# Altium PCB InsaneKeyboard.PcbDoc (part 2 of 4) (continued)
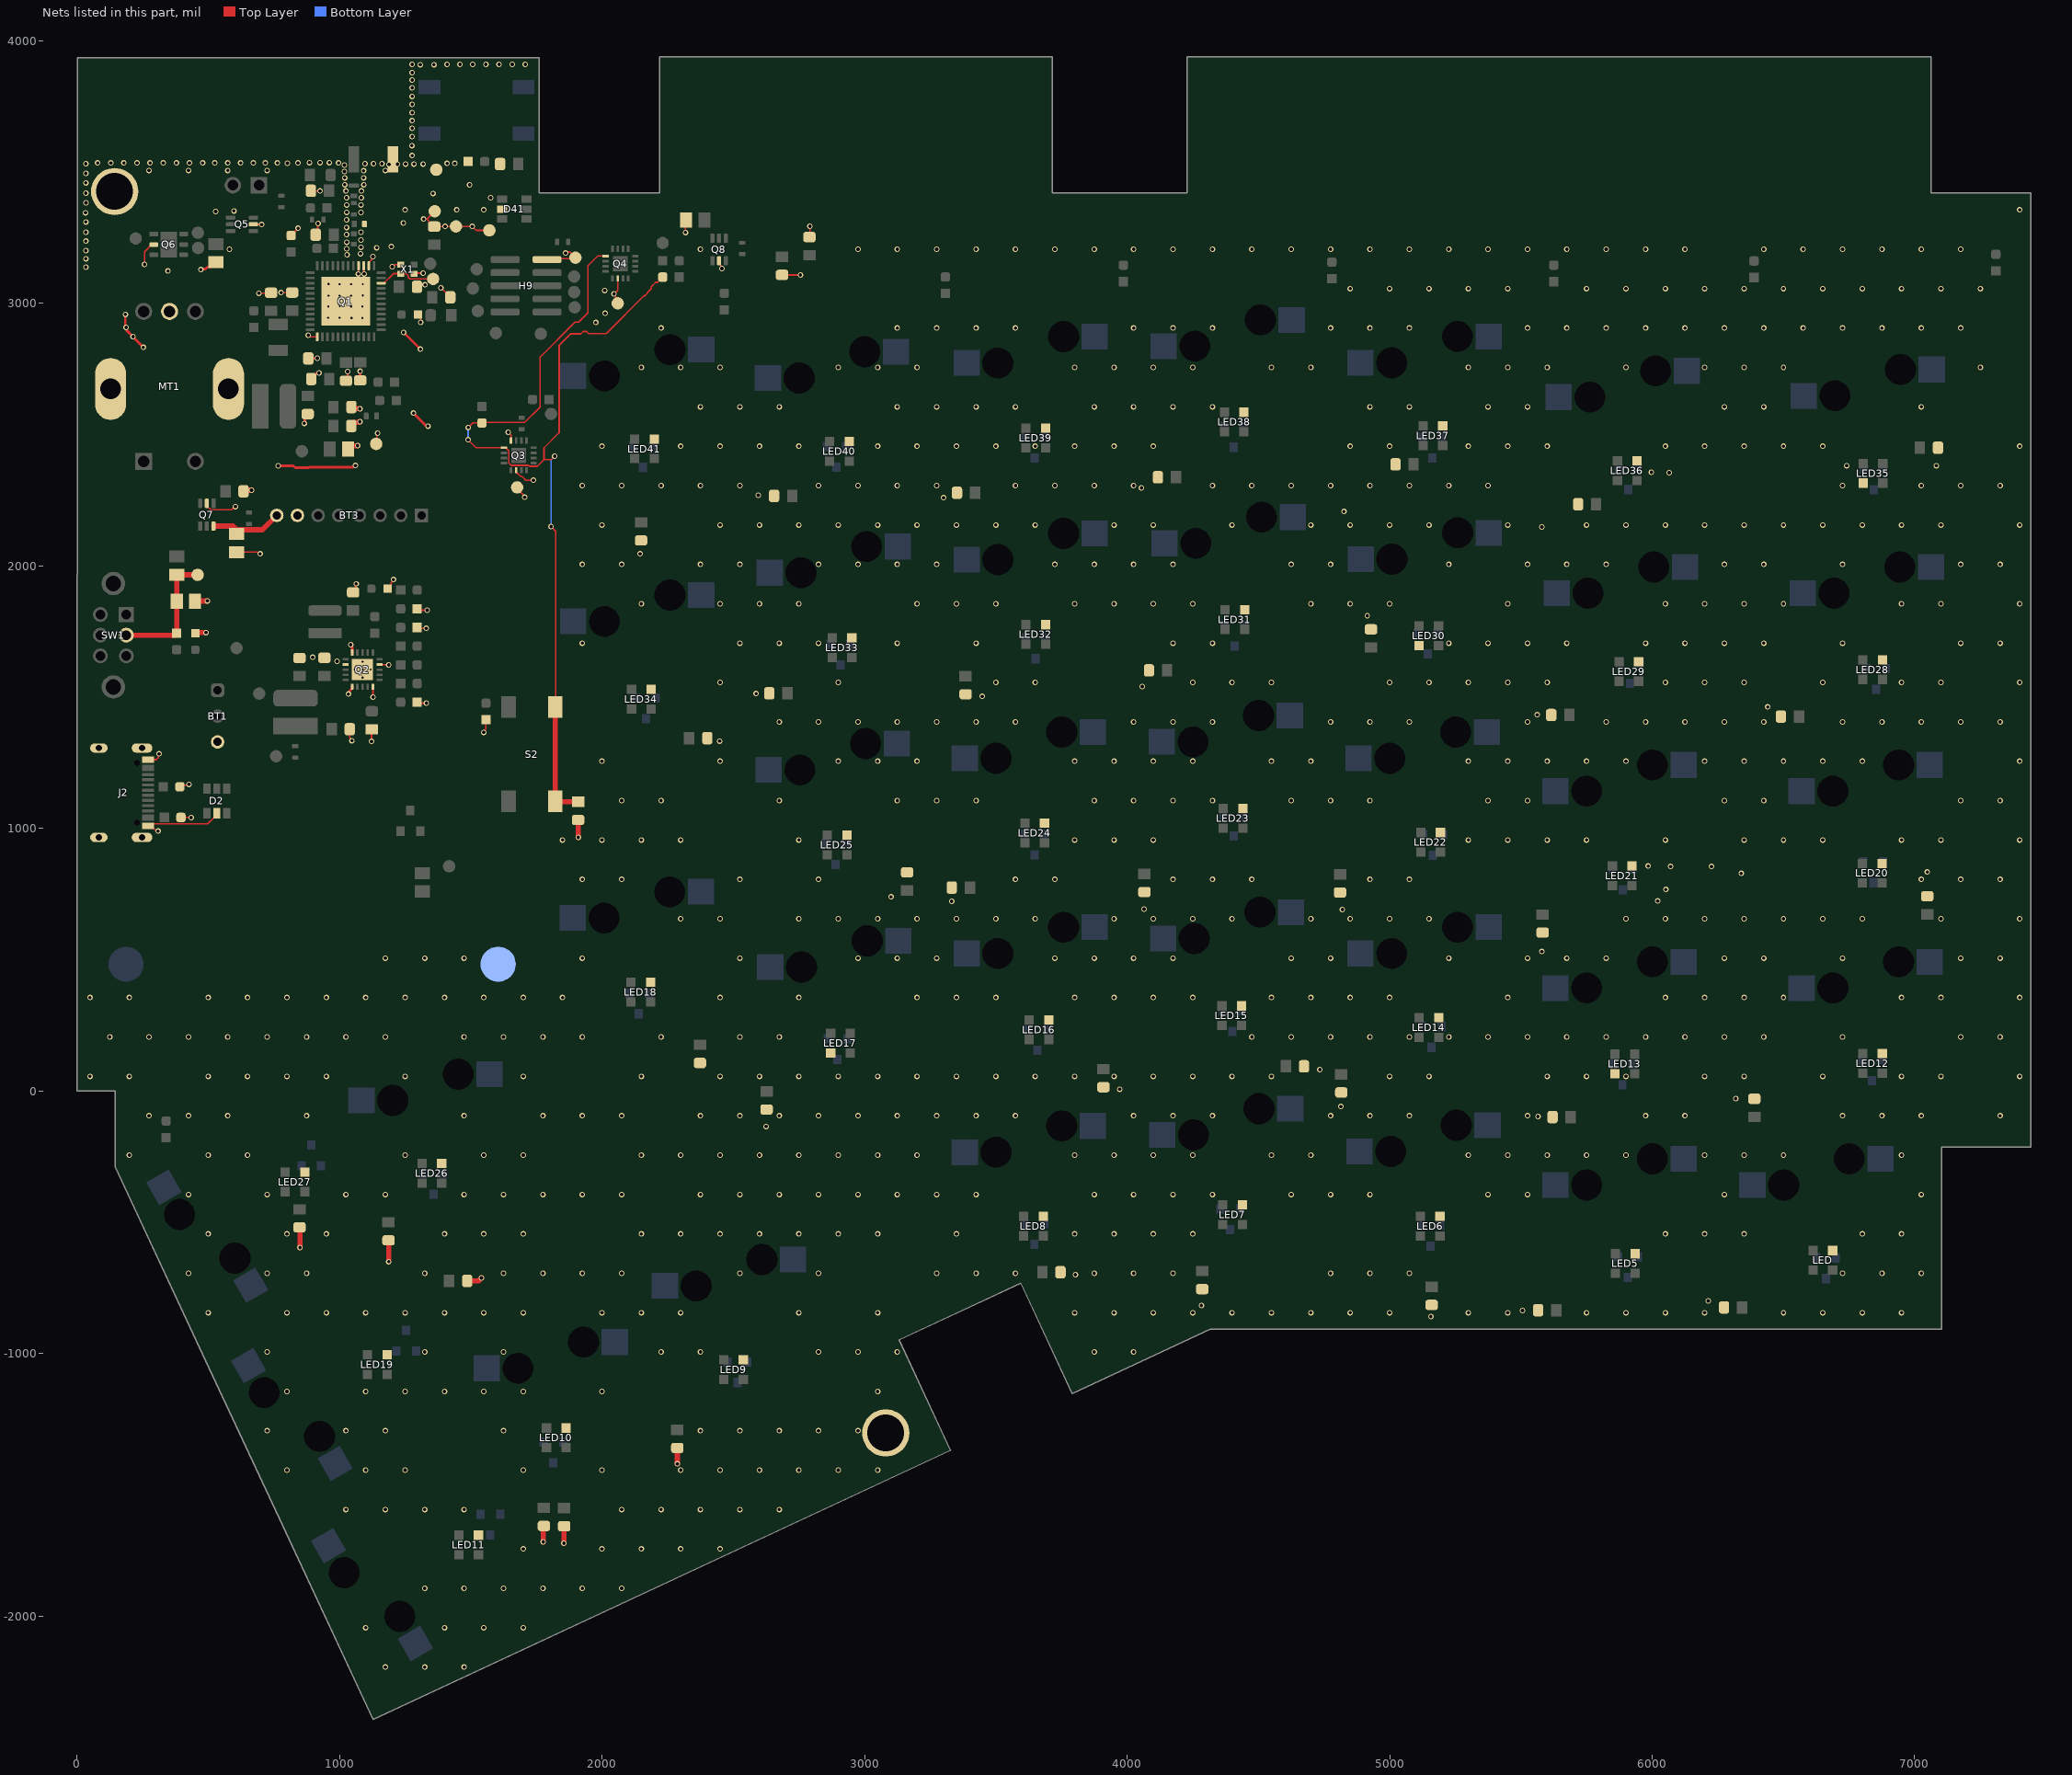
[diagram p2: the nets of this part, all layers, seen from the top]
## Part data (continued)
R14: library part "RES 6.65M 0603", "Fixed Resistor, Metal Glaze/thick Film, 0.1W, 6650000ohm, 75V, 1% +/-Tol, 100ppm/Cel, Surface Mount, 0603", Case/Package=0603, Manufacturer=Vishay, Manufacturer Part Number=CRCW06036M65FKEA, Max Operating Temperature=155°C, Min Operating Temperature=-55°C, Package Height=0.45mm, Package Length=1.55mm, Package Shape=Rectangular, Package Style=SMTMeter, Package Width=0.85mm, Power=100mW, Rated Temperature=70°C, Resistor Type="FIXED RESISTOR", Supplier Part Number=541-6.65MHCT-ND, Temperature Coefficient=100ppm/°C, Tolerance=1%, Working Voltage=75V, Category="Chip SMD Resistors", ComponentLink1Description=https://datasheet.ciiva.com:443/pdfs/VipMasterIC/IC/VISH/VISH-S-A0007266705/VISH-S-A0007266705-1.pdf?src-supplier=IHS+Markit, ComponentLink1URL=https://datasheet.ciiva.com:443/pdfs/VipMasterIC/IC/VISH/VISH-S-A0007266705/VISH-S-A0007266705-1.pdf?src-supplier=IHS+Markit, ComponentLink2Description=https://datasheet.ciiva.com/2494/dcrcwe3-2494684.pdf?src-supplier=Digikey, ComponentLink2URL=https://datasheet.ciiva.com/2494/dcrcwe3-2494684.pdf?src-supplier=Digikey, ComponentLink3Description=https://datasheet.ciiva.com/2494/dcrcwe3-2494685.pdf?src-supplier=Digikey, ComponentLink3URL=https://datasheet.ciiva.com/2494/dcrcwe3-2494685.pdf?src-supplier=Digikey, ComponentLink4Description=https://datasheet.ciiva.com/2494/dcrcwe3-2494686.pdf?src-supplier=Digikey, ComponentLink4URL=https://datasheet.ciiva.com/2494/dcrcwe3-2494686.pdf?src-supplier=Digikey, ComponentLink5Description=https://datasheet.ciiva.com/9061/dcrcwe3-9061657.pdf?src-supplier=Avnet, ComponentLink5URL=https://datasheet.ciiva.com/9061/dcrcwe3-9061657.pdf?src-supplier=Avnet, ComponentLink6Description=https://datasheet.ciiva.com/7748/1697337-7748695.pdf?src-supplier=Element14, ComponentLink6URL=https://datasheet.ciiva.com/7748/1697337-7748695.pdf?src-supplier=Element14, ComponentLink7Description=https://datasheet.ciiva.com/7748/1697337-7748696.pdf?src-supplier=Element14, ComponentLink7URL=https://datasheet.ciiva.com/7748/1697337-7748696.pdf?src-supplier=Element14, Construction=Chip, JESD-609 Code=e3, Mounting Technology="Surface Mount", Packaging="Tape and Reel", Pins=2, Pricing="1=0.1, 10=0.026, 50=0.0166, 100=0.014, 500=0.00954, 1000=0.00824 (USD)", Reach SVHC Compliant=Yes, Reference Standard=AEC-Q200, RoHS=Yes, RoHS Compliant=Yes, Stock=29933, Supplier=Digikey, Technology="METAL GLAZE/THICK FILM", Terminal Finish=Nickel, Termination=Wraparound
R15: library part "RES 5.62M 0603", "Fixed Resistor, Metal Glaze/thick Film, 0.1W, 5620000ohm, 75V, 1% +/-Tol, 100ppm/Cel, Surface Mount, 0603", Case/Package=0603, Manufacturer=Yageo, Manufacturer Part Number=RC0603JR-075M6L, Max Operating Temperature=155°C, Min Operating Temperature=-55°C, Package Height=0.45mm, Package Length=1.6mm, Package Shape=Rectangular, Package Style=SMTMeter, Package Width=0.8mm, Power=100mW, Rated Temperature=70°C, Resistor Type="FIXED RESISTOR", Supplier Part Number=311-5.6MGRCT-ND, Temperature Coefficient=100ppm/°C, Tolerance=5%, Working Voltage=75V, Additional Feature="LASER TRIMMABLE", Category="Chip SMD Resistors", ComponentLink1Description=https://datasheet.ciiva.com:443/pdfs/VipMasterIC/IC/YAGO/YAGO-S-A0008145938/YAGO-S-A0008145938-1.pdf?src-supplier=IHS+Markit, ComponentLink1URL=https://datasheet.ciiva.com:443/pdfs/VipMasterIC/IC/YAGO/YAGO-S-A0008145938/YAGO-S-A0008145938-1.pdf?src-supplier=IHS+Markit, ComponentLink2Description=https://datasheet.ciiva.com/2453/pyu-r-int-thick-7-2453118.pdf?src-supplier=Digikey, ComponentLink2URL=https://datasheet.ciiva.com/2453/pyu-r-int-thick-7-2453118.pdf?src-supplier=Digikey, ComponentLink3Description=https://datasheet.ciiva.com/2453/pyu-r-int-thick-7-2453119.pdf?src-supplier=Digikey, ComponentLink3URL=https://datasheet.ciiva.com/2453/pyu-r-int-thick-7-2453119.pdf?src-supplier=Digikey, ComponentLink4Description=https://datasheet.ciiva.com/2453/pyu-r-int-thick-7-2453120.pdf?src-supplier=Digikey, ComponentLink4URL=https://datasheet.ciiva.com/2453/pyu-r-int-thick-7-2453120.pdf?src-supplier=Digikey, ComponentLink5Description=http://www.mouser.com/ds/2/447/RC0603-272842.pdf?src-supplier=Mouser, ComponentLink5URL=http://www.mouser.com/ds/2/447/RC0603-272842.pdf?src-supplier=Mouser, ComponentLink6Description=http://www.yageo.com/documents/recent/PYu-RC_Group_51_RoHS_L_2.pdf?src-supplier=Avnet, ComponentLink6URL=http://www.yageo.com/documents/recent/PYu-RC_Group_51_RoHS_L_2.pdf?src-supplier=Avnet, ComponentLink7Description=http://www.yageo.com.tw/exep/pages/download/literatures/PYu-R_INT-thick_7.pdf?src-supplier=Digikey, ComponentLink7URL=http://www.yageo.com.tw/exep/pages/download/literatures/PYu-R_INT-thick_7.pdf?src-supplier=Digikey, Construction=Chip, JESD-609 Code=e3, Mounting Technology="Surface Mount", Packaging="Tape and Reel", Pins=2, Pricing="1=0.1, 10=0.015, 50=0.0092, 100=0.0076, 500=0.00512, 1000=0.00437 (USD)", Reach SVHC Compliant=Yes, RoHS=Yes, RoHS Compliant=Yes, Stock=110556, Supplier=Digikey, Technology="METAL GLAZE/THICK FILM", Terminal Finish=Nickel, Termination=Wraparound
R16 R19 R20 R21 R22 R23 R24 R25 R26 R30 R31 R32 R33 R34 R35 R36: library part "RES 10K 0603", "Fixed Resistor, Metal Glaze/thick Film, 0.1W, 10000ohm, 75V, 1% +/-Tol, 100ppm/Cel, Surface Mount, 0603", Case/Package=0603, Manufacturer=Yageo, Manufacturer Part Number=RC0603FR-0710KL, Max Operating Temperature=155°C, Min Operating Temperature=-55°C, Package Height=0.45mm, Package Length=1.6mm, Package Shape=Rectangular, Package Style=SMTMeter, Package Width=0.8mm, Power=100mW, Rated Temperature=70°C, Resistor Type="FIXED RESISTOR", Supplier Part Number=311-10.0KHRCT-ND, Temperature Coefficient=100ppm/°C, Tolerance=1%, Working Voltage=75V, Additional Feature="LASER TRIMMABLE", Category="Chip SMD Resistors", ComponentLink1Description=https://datasheet.ciiva.com:443/pdfs/VipMasterIC/IC/YAGO/YAGO-S-A0008145938/YAGO-S-A0008145938-1.pdf?src-supplier=IHS+Markit, ComponentLink1URL=https://datasheet.ciiva.com:443/pdfs/VipMasterIC/IC/YAGO/YAGO-S-A0008145938/YAGO-S-A0008145938-1.pdf?src-supplier=IHS+Markit, ComponentLink2Description=http://www.farnell.com/datasheets/2167052.pdf?src-supplier=Farnell, ComponentLink2URL=http://www.farnell.com/datasheets/2167052.pdf?src-supplier=Farnell, ComponentLink3Description=http://www.farnell.com/datasheets/1868787.pdf?src-supplier=Farnell, ComponentLink3URL=http://www.farnell.com/datasheets/1868787.pdf?src-supplier=Farnell, ComponentLink4Description=http://www.farnell.com/datasheets/443971.pdf?src-supplier=Farnell, ComponentLink4URL=http://www.farnell.com/datasheets/443971.pdf?src-supplier=Farnell, ComponentLink5Description=http://www.yageo.com/documents/recent/PYu-RC_Group_51_RoHS_L_10.pdf?src-supplier=Digikey, ComponentLink5URL=http://www.yageo.com/documents/recent/PYu-RC_Group_51_RoHS_L_10.pdf?src-supplier=Digikey, ComponentLink6Description=http://www.yageo.com/documents/recent/PYu-RC_Group_51_RoHS_L_9.pdf?src-supplier=Component+Sense, ComponentLink6URL=http://www.yageo.com/documents/recent/PYu-RC_Group_51_RoHS_L_9.pdf?src-supplier=Component+Sense, Construction=Chip, JESD-609 Code=e3, Mounting Technology="Surface Mount", Packaging="Tape and Reel", Pins=2, Pricing="1=0.1, 10=0.019, 50=0.0112, 100=0.0093, 500=0.00622, 1000=0.00532, 5000=0.00382, 10000=0.00335, 25000=0.00287, 35000=0.00278, 50000=0.00257, 125000=0.00232 (USD)", Reach SVHC Compliant=Yes, RoHS=Yes, RoHS Compliant=Yes, Stock=6878448, Supplier=Digikey, Technology="METAL GLAZE/THICK FILM", Terminal Finish=Nickel, Termination=Wraparound
R17: library part "RES 4.99M 0603", "Fixed Resistor, Metal Glaze/thick Film, 0.1W, 4990000ohm, 75V, 1% +/-Tol, 100ppm/Cel, Surface Mount, 0603", Case/Package=0603, Manufacturer=Yageo, Manufacturer Part Number=RC0603FR-074M99L, Max Operating Temperature=155°C, Min Operating Temperature=-55°C, Package Height=0.45mm, Package Length=1.6mm, Package Shape=Rectangular, Package Style=SMTMeter, Package Width=0.8mm, Power=100mW, Rated Temperature=70°C, Resistor Type="FIXED RESISTOR", Supplier Part Number=13-RC0603FR-074M99LDKR-ND, Temperature Coefficient=100ppm/°C, Tolerance=1%, Working Voltage=75V, Additional Feature="LASER TRIMMABLE", Category="Chip SMD Resistors", ComponentLink1Description=https://datasheet.ciiva.com:443/pdfs/VipMasterIC/IC/YAGO/YAGO-S-A0008145938/YAGO-S-A0008145938-1.pdf?src-supplier=IHS+Markit, ComponentLink1URL=https://datasheet.ciiva.com:443/pdfs/VipMasterIC/IC/YAGO/YAGO-S-A0008145938/YAGO-S-A0008145938-1.pdf?src-supplier=IHS+Markit, ComponentLink2Description=http://www.mouser.com/ds/2/447/RC0603-272842.pdf?src-supplier=Mouser, ComponentLink2URL=http://www.mouser.com/ds/2/447/RC0603-272842.pdf?src-supplier=Mouser, ComponentLink3Description=http://www.yageo.com/documents/recent/PYu-RC_Group_51_RoHS_L_9.pdf?src-supplier=Digikey, ComponentLink3URL=http://www.yageo.com/documents/recent/PYu-RC_Group_51_RoHS_L_9.pdf?src-supplier=Digikey, ComponentLink4Description=http://www.yageo.com/documents/recent/PYu-RC0603_51_RoHS_L_7.pdf?src-supplier=Future+Electronics, ComponentLink4URL=http://www.yageo.com/documents/recent/PYu-RC0603_51_RoHS_L_7.pdf?src-supplier=Future+Electronics, ComponentLink5Description=http://www.yageo.com/documents/recent/PYu-RC_Group_51_RoHS_L_2.pdf?src-supplier=Avnet, ComponentLink5URL=http://www.yageo.com/documents/recent/PYu-RC_Group_51_RoHS_L_2.pdf?src-supplier=Avnet, ComponentLink6Description=https://datasheet.octopart.com/RC0603FR-074M99L-Yageo-datasheet-164759695.pdf?src-supplier=Future+Electronics, ComponentLink6URL=https://datasheet.octopart.com/RC0603FR-074M99L-Yageo-datasheet-164759695.pdf?src-supplier=Future+Electronics, ComponentLink7Description=https://datasheet.octopart.com/RC0603FR-074M99L-Yageo-datasheet-148775077.pdf?src-supplier=TME, ComponentLink7URL=https://datasheet.octopart.com/RC0603FR-074M99L-Yageo-datasheet-148775077.pdf?src-supplier=TME, Construction=Chip, JESD-609 Code=e3, Mounting Technology="Surface Mount", Packaging="Tape and Reel", Pins=2, Pricing="1=0.1, 10=0.019, 50=0.0112, 100=0.0093, 500=0.00622, 1000=0.00532 (USD)", Reach SVHC Compliant=Yes, RoHS=Yes, RoHS Compliant=Yes, Stock=585, Supplier=Digikey, Technology="METAL GLAZE/THICK FILM", Terminal Finish=Nickel, Termination=Wraparound
S1 S2: library part SPST, "Keypad Switch, 1 Switches, SPST, Momentary-tactile, 0.05A, 50VDC, 2.55N, Solder Terminal, Surface Mount-straight", Contact Current(DC)-Max=50mA, Contact DC Max Rating R Load=.05A@50VDC, Contact Voltage(DC)-Max=50V, Manufacturer=E-Switch, Manufacturer Part Number=TL3301NF260QG, Operating Force-Max=3.04N, Supplier Part Number=EG1868CT-ND, Body Breadth=6inch, Body Height=3.6mm, Body Length or Diameter=6mm, Category="Tactile Switches", Circuit Configuration=1X1, ComponentLink1Description=https://datasheet.ciiva.com:443/pdfs/VipMasterIC/IC/ESCH/ESCH-S-A0005350531/ESCH-S-A0005350531-1.pdf?src-supplier=IHS+Markit, ComponentLink1URL=https://datasheet.ciiva.com:443/pdfs/VipMasterIC/IC/ESCH/ESCH-S-A0005350531/ESCH-S-A0005350531-1.pdf?src-supplier=IHS+Markit, ComponentLink2Description=https://datasheet.ciiva.com/2901/p010517e-2901296.pdf?src-supplier=Digikey, ComponentLink2URL=https://datasheet.ciiva.com/2901/p010517e-2901296.pdf?src-supplier=Digikey, ComponentLink3Description=https://datasheet.ciiva.com/2901/tl3301-2901294.pdf?src-supplier=Digikey, ComponentLink3URL=https://datasheet.ciiva.com/2901/tl3301-2901294.pdf?src-supplier=Digikey, ComponentLink4Description=https://datasheet.ciiva.com/2901/tl3301-2901295.pdf?src-supplier=Digikey, ComponentLink4URL=https://datasheet.ciiva.com/2901/tl3301-2901295.pdf?src-supplier=Digikey, ComponentLink5Description=https://datasheet.ciiva.com/7637/tl3301-7637661.pdf?src-supplier=Element14, ComponentLink5URL=https://datasheet.ciiva.com/7637/tl3301-7637661.pdf?src-supplier=Element14, JESD-609 Code=e4, Mounting Technology="Surface Mount", Number of Switches=1, Packaging="Tape and Reel", Pricing="1=0.42, 10=0.404, 25=0.3804, 100=0.3303, 250=0.29968, 500=0.27876 (USD)", Reach SVHC Compliant=Yes, RoHS=Yes, RoHS Compliant=Yes, Stock=45667, Supplier=Digikey, Switch Action=MOMENTARY-TACTILE, Switch Function=SPST, Switch Type=Keypad, Terminal Finish=Silver, Termination=Solder
SW1: library part DPDT, "Slide Switch, DPDT, Latched, Solder Terminal, Through Hole-right Angle", Manufacturer=E-Switch, Manufacturer Part Number=EG2208, Max Operating Temperature=70°C, Min Operating Temperature=-20°C, Supplier Part Number=EG1941-ND, Body Breadth=6inch, Body Height=5mm, Body Length or Diameter=10mm, Category="Slide Switches", ComponentLink1Description=https://datasheet.ciiva.com:443/pdfs/VipMasterIC/IC/ESCH/ESCH-S-A0005350660/ESCH-S-A0005350660-1.pdf?src-supplier=IHS+Markit, ComponentLink1URL=https://datasheet.ciiva.com:443/pdfs/VipMasterIC/IC/ESCH/ESCH-S-A0005350660/ESCH-S-A0005350660-1.pdf?src-supplier=IHS+Markit, ComponentLink2Description=https://datasheet.ciiva.com/2889/p040110c-2889382.pdf?src-supplier=Digikey, ComponentLink2URL=https://datasheet.ciiva.com/2889/p040110c-2889382.pdf?src-supplier=Digikey, ComponentLink3Description=https://datasheet.ciiva.com/16174/seriesegslides-16174287.pdf?src-supplier=Onlinecomponents.com, ComponentLink3URL=https://datasheet.ciiva.com/16174/seriesegslides-16174287.pdf?src-supplier=Onlinecomponents.com, ComponentLink4Description=https://datasheet.ciiva.com/16216/eg-16216332.pdf?src-supplier=Future+Electronics, ComponentLink4URL=https://datasheet.ciiva.com/16216/eg-16216332.pdf?src-supplier=Future+Electronics, JESD-609 Code=e4, Mounting Technology="Through Hole", Pricing="1=0.66, 10=0.639, 25=0.5968, 100=0.5183, 250=0.47168, 800=0.43728, 1600=0.4325 (USD)", Reach SVHC Compliant=Yes, RoHS=Yes, RoHS Compliant=Yes, Stock=171516, Supplier=Digikey, Switch Action=LATCHED, Switch Function=DPDT, Switch Type="Slide Switch", Terminal Finish=Silver, Termination=Solder
SW2 SW3 SW4 SW5 SW6 SW7 SW8 SW9 SW10 SW11 SW12 SW13 SW14 SW15 SW16 SW17 SW18 SW19 SW20 SW21 SW22 SW23 SW24 SW25 SW26 SW27 SW28 SW29 SW30 SW31 SW32 SW33 SW34 SW35 SW36 SW37 SW38 SW39: library part "Gateron G Pro 2.0", "Gateron G Pro 2.0, The 3-Pin switches are compatible with any 3-Pin/5-Pin MX mechanical keyboard"
TP1 TP2 TP3 TP6 TP7 TP8 TP9 TP10 TP11 TP12 TP13 TP15 TP16 TP17 TP18 TP20 TP21 TP22 TP23 TP24 TP25 TP27 TP28 TP29 TP30 TP31 TP32 TP33 TP34: library part "Test point"
X1: library part "XTAL 38.4MHz", "Crystal 38.4000MHZ 10PF SMD", Manufacturer=Murata, Manufacturer Part Number=XRCGB38M400F1S3JR0, Supplier Part Number=490-XRCGB38M400F1S3JR0TR-ND, Category=LDO, ComponentLink1Description=https://datasheet.octopart.com/TZ2205E-TST---Tamsan-datasheet-98782093.pdf?src-supplier=Component+Distributors+Inc., ComponentLink1URL=https://datasheet.octopart.com/TZ2205E-TST---Tamsan-datasheet-98782093.pdf?src-supplier=Component+Distributors+Inc., ComponentLink2Description=http://www.txccorp.com/download/products/quartz_crystals/2015TXC_8Y_15.pdf?src-supplier=Digikey, ComponentLink2URL=http://www.txccorp.com/download/products/quartz_crystals/2015TXC_8Y_15.pdf?src-supplier=Digikey, Pricing="1=1.13, 10=1.004, 50=0.938, 100=0.829, 500=0.78538, 1000=0.65448 (USD)", RoHS=No, Stock=604, Supplier=Digikey
X2: library part "32.768kHz Crystal", "Crystal 0.032768MHz ±20ppm (Tol) 12.5pF Flexural 70000Ohm 2-Pin CSMD T/R", Case/Package=CSMD, ESR (Equivalent Series Resistance)=70kR, Frequency=32.768kHz, Frequency Tolerance=20ppm, Load Capacitance=12.5pF, Manufacturer=Abracon, Manufacturer Part Number=ABS07-32.768KHZ-H-T, Max Operating Temperature=85°C, Min Operating Temperature=-40°C, Operating Frequency="32.768 kHz", Operating Frequency-Nom=0.032768, Package Quantity=3000, Supplier Part Number=535-ABS07-32.768KHZ-H-TTR-ND, Additional Feature="TAPE AND REEL", Aging="3 PPM/FIRST YEAR", Category=Crystals, ComponentLink1Description=https://datasheet.ciiva.com:443/pdfs/VipMasterIC/IC/ABRC/ABRC-S-A0006623177/ABRC-S-A0006623177-1.pdf?src-supplier=IHS+Markit, ComponentLink1URL=https://datasheet.ciiva.com:443/pdfs/VipMasterIC/IC/ABRC/ABRC-S-A0006623177/ABRC-S-A0006623177-1.pdf?src-supplier=IHS+Markit, ComponentLink2Description=https://datasheet.ciiva.com/854/abs07-854935.pdf?src-supplier=Digikey, ComponentLink2URL=https://datasheet.ciiva.com/854/abs07-854935.pdf?src-supplier=Digikey, ComponentLink3Description=https://datasheet.ciiva.com/854/abs07-854936.pdf?src-supplier=Digikey, ComponentLink3URL=https://datasheet.ciiva.com/854/abs07-854936.pdf?src-supplier=Digikey, ComponentLink4Description=https://datasheet.ciiva.com/854/abs07-854937.pdf?src-supplier=Digikey, ComponentLink4URL=https://datasheet.ciiva.com/854/abs07-854937.pdf?src-supplier=Digikey, ComponentLink5Description=https://datasheet.ciiva.com/15214/getdatasheetpartid-727011-15214954.pdf?src-supplier=Verical, ComponentLink5URL=https://datasheet.ciiva.com/15214/getdatasheetpartid-727011-15214954.pdf?src-supplier=Verical, ComponentLink6Description=https://datasheet.ciiva.com/7998/1912628-7998667.pdf?src-supplier=Element14, ComponentLink6URL=https://datasheet.ciiva.com/7998/1912628-7998667.pdf?src-supplier=Element14, ComponentLink7Description=https://datasheet.ciiva.com/1357/1883680-1357319.pdf?src-supplier=Element14, ComponentLink7URL=https://datasheet.ciiva.com/1357/1883680-1357319.pdf?src-supplier=Element14, ComponentLink8Description=https://datasheet.ciiva.com/4944/abs07-11028-4944830.pdf?src-supplier=Mouser, ComponentLink8URL=https://datasheet.ciiva.com/4944/abs07-11028-4944830.pdf?src-supplier=Mouser, Crystal/Resonator Type="PARALLEL - FUNDAMENTAL", Depth=1.5mm, Drive Level=0.5uW, ESR=70kR, Height=0.9mm, Lead Free="Lead Free", Length=3.2mm, Mounting Technology="Surface Mount", Packaging="Tape and Reel", Pins=2, Pricing="1=0.64, 10=0.502, 50=0.502, 100=0.463, 500=0.438, 1000=0.419, 3000=0.308, 6000=0.281, 9000=0.269, 10000=0.269, 24000=0.258 (USD)", Radiation Hardening=No, Reach SVHC Compliant=Yes, RoHS=Yes, RoHS Compliant=Yes, Series=ABS07, Stock=349794, Supplier=Mouser, Termination=SMD/SMT, Tolerance=20ppm, Width=1.5mm

## Via types
v1: diameter 21, hole 13, Top Layer to Bottom Layer, tented both sides, 1023 vias
v2: diameter 21, hole 13, Top Layer to Bottom Layer, 120 vias

## Nets (pads, with @x,y where several pads share a name; then routed paths per layer and width w, separated by ;. In a path a pad name is that pad's centre, name@x,y a point inside that pad or via, vN(x,y) a via of type N, cw(c..) or ccw(c..) an arc to the next point about the centre after c; other vN are vias at no path point)
+3.3V: C22.1 C24.1 R8.1 SW1.2 TP20.1 | length 499.1
  Top Layer w20: SW1.2@188.21,1735 188.36,1734.85 371.86,1734.85 380.71,1743.7 380.35,1744.05 380.35,1864.65 C22.1@380.71,1865 380.35,1865.35 C24.1@380.35,1965.35 ; TP20.1@460,1965 459.65,1965.35 C24.1@380.35,1965.35 ; C24.1@380.35,1965.35 C24.1@380,1965.71 C24.1@380.35,1965.35
DISPLAY_LOAD_SW: BT3.8 C70.1 Q7.6 | length 285.6
  Top Layer w20: Q7.6@520.59,2150.69 594.09,2150.69 608.31,2136.47 706.54,2136.47 BT3.8@761.41,2191.35 ; C70.1@608,2120.65 C70.1@608,2136.78
EXP_RESET: C27.1 Q3.1 Q4.1 R34.2 R35.2 S2.3 S2.4 | length 3861.7
  Top Layer w6: v1(1490,2479.5) 1519.97,2449.53 1633.2,2449.53 1645.31,2437.41 1645.31,2390.7 1653.7,2382.31 1719.8,2382.31 1723.76,2378.35 1753.46,2378.35 1779.05,2403.95 ; v1(1491,2526) 1508.5,2543.5 R35.2@1543,2543.5 1544.83,2545.34 1705.61,2545.34 1763.78,2603.5 1763.78,2793.31 1897.73,2927.26 1910.85,2927.26 1946.62,2963.03 1946.62,3142.12 1984.03,3179.53 Q4.1@2013.5,3179.53 ; v1(1806,2149) 1824,2131 1824,1463.55 S2.3@1821.58,1461.13 ; v1(1820,2417) 1818.53,2417 1805.47,2403.95 1779.05,2403.95 ; R34.2@2231.5,3099 2211.4,3078.9 2204.51,3078.9 2188.4,3062.79 2188.4,3055.89 2174.5,3042 2174.5,3038.75 2164.25,3028.5 2161,3028.5 2016.5,2884 1949.75,2884 1942.25,2891.5 1927.75,2891.5 1919.49,2883.24 1881.99,2883.24 1836.62,2837.87 1836.62,2506.13 1779.05,2448.56 1779.05,2403.95
  Top Layer w20: S2.3@1821.58,1461.13 S2.4@1821.58,1102.87 1824,1100.45 C27.1@1909,1100.45
  Bottom Layer w6: v1(1490,2479.5) 1490.5,2480 1490.5,2525.5 v1(1491,2526) ; v1(1806,2149) 1806,2365.25 1806.5,2365.75 1806.5,2380.25 1806,2380.75 1806,2403 v1(1820,2417)
GND: ATT1.GND BT1.3 BT2.N BT3.7 C1.2 C2.2 C3.2 C4.2 C5.2 C6.2 C7.2 C8.2 C9.2 C10.2 C11.2 C12.2 C13.2 C14.2 C15.2 C16.2 C17.2 C18.1 C19.2 C20.2 C21.2 C22.2 C25.2 C26.2 C27.2 C28.2 C29.2 C30.2 C31.2 C32.2 C33.2 C34.2 C35.2 C36.2 C37.2 C38.2 C39.2 C40.2 C41.2 C42.2 C43.2 C44.2 C45.2 C46.2 C47.2 C48.2 C49.2 C50.2 C51.2 C52.2 C53.2 C54.2 C55.2 C56.2 C57.2 C58.2 C59.2 C60.2 C61.2 C62.2 C63.2 C64.2 C65.2 C66.2 C67.2 C68.2 C69.2 C70.2 D2.2 D41.2 H1.1 H2.1 H9.2 J2.A1_B12 J2.B1_A12 J2.S1 J2.S2 J2.S3 J2.S4 LED1.C LED2.C LED4.C LED5.4-GND LED6.4-GND LED7.4-GND LED8.4-GND LED9.4-GND LED10.4-GND LED11.4-GND LED12.4-GND LED13.4-GND LED14.4-GND LED15.4-GND LED16.4-GND LED17.4-GND LED18.4-GND LED19.4-GND LED20.4-GND LED21.4-GND LED22.4-GND LED23.4-GND LED24.4-GND LED25.4-GND LED26.4-GND LED27.4-GND LED28.4-GND LED29.4-GND LED30.4-GND LED31.4-GND LED32.4-GND LED33.4-GND LED34.4-GND LED35.4-GND LED36.4-GND LED37.4-GND LED38.4-GND LED39.4-GND LED40.4-GND LED41.4-GND LED.4-GND MT1.COM MT1.S1 MT1.S2 Q1.14 Q1.15 Q1.16 Q1.37 Q1.49 Q2.1 Q2.5 Q2.9 Q2.15 Q2.17 Q2.21 Q3.6 Q3.16 Q4.6 Q5.2 Q6.2 Q7.2 Q8.2 R3.2 R6.1 R7.1 R9.2 R10.2 R15.1 R17.1 R38.1 TP1.1 TP22.1 TP25.1 TP28.1 TP29.1 TP30.1 TP31.1 TP32.1 X1.2 X1.4 | length 4896.7
  Top Layer w6: v1(258,3147) 258,3195.96 285.04,3223 Q6.2@292.91,3223 ; J2.A1_B12@271,1261.14 302.44,1261.14 310.13,1268.83 310.13,1280.13 v1(313,1283) ; v1(309.07,988.94) 306.19,991.81 299,991.81 281.63,1009.17 288.9,1016.44 498.01,1016.44 522.21,1040.65 522.21,1046.61 D2.2@532.99,1057.39 ; R9.2@392.49,1158.16 398.46,1164.13 424.13,1164.13 v1(427,1167) ; R10.2@396.49,1041.16 396.78,1040.87 434.87,1040.87 v1@435,1041 ; Q7.2@495,2237.31 495,2227.41 509.82,2212.59 588.83,2212.59 601.24,2225 v1(604,2225) ; C70.2@608,2051.35 687.56,2051.35 693.91,2045 v1@700,2045 ; Q5.2@672.31,3300 672.81,3299.5 703.5,3299.5 v1(704,3299) ; v1(692.91,3037.77) 738.32,3037.77 C10.2@740,3039.45 ; v1(778,3040) C11.2@820,3040 ; R3.2@816,3257.5 816,3257.75 843,3284.75 v1(843,3285) ; C56.2@848,-520.45 C56.2@850,-522.45 ; v1(881.16,2877.81) 885.22,2877.81 891.17,2871.87 Q1.37@914.5,2871.87 ; C4.2@891.55,3428 892.55,3427 v1(926.26,3427) ; C5.2@909.55,3260 910.55,3259 917.44,3265.89 917.44,3302.53 v1(918.48,3303.57) ; Q1.49@955.76,2944.1 956.26,2944.6 956.26,2986.6 Q1.49@957.26,2987.6 ; Q1.49@957.76,3028.1 957.26,3027.6 Q1.49@957.26,2987.6 ; Q1.49@999.76,3028.1 1000.26,3027.6 1000.26,2988.6 1000.76,2988.1 Q1.49@1000.26,2987.6 ; C12.2@1025,2704.55 1031,2710.55 v1(1031,2739) ; C17.2@1039.35,1376.91 1039.35,1344.44 1047,1336.79 v1@1047,1334 ; Q1.49@1044.76,2943.1 Q1.49@1044.26,2943.6 ; v1(1072,3111) Q1.16@1071.99,3142.33 ; Q1.49@1087.76,3029.1 1087.26,3028.6 1087.26,2987.6 1086.76,2987.1 Q1.49@1043.76,2987.1 ; Q1.15@1091.66,3142.34 1092.83,3141.17 1092.83,3112.17 v1(1094,3111) ; Q1.49@1111.35,3095.69 1043.76,3028.1 Q1.49@1043.76,2987.1 ; Q1.14@1111.35,3142.34 1111.35,3154.15 1124.71,3167.51 1124.71,3172.07 v1@1127.58,3174.94 ; v1@1122,1331 1122.5,1331.5 1122.5,1375.19 C18.1@1123.86,1376.55 ; Q2.5@1127.37,1539.04 1127.9,1538.51 1127.9,1500.1 v1@1128,1500 ; TP30.1@1140,2464 1142.75,2466.75 1142.75,2502.75 v1@1145,2505 ; Q2.9@1152.96,1623.68 1153.8,1622.84 1187.16,1622.84 v1(1188,1622) ; LED4.C@1184.5,1912 1197.24,1924.75 1197.24,1934.19 1206,1942.94 v1(1206,1947) ; C51.2@1187,-569.45 C51.2@1188,-570.45 ; v1(1201.52,3138.48) 1204.44,3138.48 1211.96,3146 X1.2@1233.9,3146 ; X1.4@1284.1,3112 1286.1,3114 v1(1319,3114) ; C2.2@1295.45,3062 1302.92,3069.47 v1(1326.25,3069.47) ; R15.1@1296.39,1479.91 1299.81,1476.5 1330.5,1476.5 v1@1331,1477 ; R17.1@1296.39,1764.58 1299.47,1761.5 1329.5,1761.5 v1@1330,1762 ; R7.1@1296.39,1835.74 1301.64,1830.5 1333.5,1830.5 v1@1334,1831 ; LED2.C@1299.5,2956 1309,2946.5 v1(1309,2926.94) ; v1(1321,3320) 1333.55,3320 1340.5,3313.05 1340.5,3311.72 1360.22,3292 v1(1506,3292) 1521,3277 TP25.1@1571,3277 ; 1333,3320 TP1.1@1363,3350 ; v1(1386,3058) 1388.19,3058 1421.13,3025.06 C3.2@1422.45,3025.06 ; v1(1550,1365) 1550,1369.06 1558,1377.06 R38.1@1558,1413.01 ; v1(1643,2508) 1643,2507.78 1653.47,2497.31 Q3.16@1653.47,2476.5 ; Q3.6@1673.16,2356.81 1691.35,2338.62 1696.89,2338.62 1710.01,2325.5 1737.5,2325.5 v1@1738,2326 ; TP32.1@1677,2298 1677,2293.06 1705.03,2265.03 v1@1705.03,2260.97 ; C61.2@1776,-1660.45 C61.2@1779,-1657.45 ; H9.2@1791,3166 1794.5,3169.5 TP28.1@1897.5,3169.5 ; C68.2@1855,-1659.45 C68.2@1856,-1658.45 ; v1(1861.29,3190.71) 1865.35,3190.71 1870.37,3195.72 1876.71,3195.72 TP28.1@1897.43,3175 ; C27.2@1909,1031.55 C27.2@1910,1030.55 ; TP29.1@2060,2999 2052.11,3006.89 2052.11,3024.83 2046,3030.94 v1(2046,3035) 2046.62,3035 2060.08,3048.46 2060.08,3093.42 Q4.6@2060.16,3093.5 ; v1(2318,3269) 2318,3314.65 C30.2@2320.35,3317 ; Q8.2@2446,3160.69 2446,3150.34 2454.13,3142.21 2454.13,3134.37 v1(2457,3131.5) ; C29.2@2686,3107.55 2686.55,3107 v1(2756,3107) ; C26.2@2790,3251.45 2792,3253.45 v1(2792,3292.5) ; Q1.49@957.26,2987.6 Q1.49@1000.26,2987.6 ; Q1.49@1000.26,2987.6 1000.26,2944.6 999.76,2944.1 1000.26,2943.6 Q1.49@1044.26,2943.6 ; Q1.49@1043.76,2987.1 1044.26,2986.6 Q1.49@1044.26,2943.6
  Top Layer w10: v1(184.66,2957) 184.66,2914.34 185.64,2913.36 185.64,2912.29 189.93,2908 v1@191,2908 ; v1(187.75,2907.2) 189.85,2905.1 189.85,2896.15 213.32,2872.68 213.32,2871.32 v1(253.2,2831.45) ; v1(472,3127.26) 474.1,3129.36 489.86,3129.36 498.37,3137.87 511.17,3137.87 C28.2@529,3155.71 ; v1(766.87,2380.5) 823.94,2380.5 831.06,2373.38 882.41,2373.38 884.03,2375 1052.02,2375 1058.21,2381.19 v1(1061.19,2381.19) ; v1(866,2542) 868.1,2544.1 868.1,2566.66 C6.2@879,2577.55 ; C13.2@881.55,2789 882.55,2788 883.55,2789 916,2789 917,2790 v1(916,2790) ; C9.2@892.55,2711 892.55,2712.32 912.13,2731.9 919.9,2731.9 v1(922,2734) ; v1(1034,1511) 1036.1,1513.1 1036.1,1519.98 1048.63,1532.5 Q2.1@1048.63,1539.04 ; v1(1043,1699) 1043,1696.02 1048.35,1690.67 1048.35,1669.24 Q2.15@1048.63,1668.96 ; C19.2@1052,1898.45 1061.9,1908.34 1061.9,1928.9 v1(1064,1931) ; C8.2@1079,2705.55 v1(1079,2740.26) ; v1(1244.38,2888.38) 1244.5,2888.38 1308.38,2824.5 v1(1308.5,2824.5) ; v1(1282.27,2580.93) 1329.5,2533.69 1335.05,2533.69 v1(1337.16,2531.59)
  Top Layer w20: C22.2@450.5,1865.5 496.23,1865.5 496.73,1866 v1(497,1866) ; LED1.C@458.5,1745 v1(492,1745) ; C69.2@634.8,2283.39 638.84,2287.43 665.37,2287.43 v1(665.56,2287.62) ; v1(850,-597) 849.81,-596.81 849.81,-522.64 C56.2@850,-522.45 ; C25.2@1032.27,2444.62 1044.45,2456.81 1068.81,2456.81 v1(1069,2457) ; C21.2@1045.45,2532 1045.45,2535.94 1055.13,2545.62 1075.35,2545.62 1077.73,2548 v1(1078,2548) ; C20.2@1045.45,2604 1051.61,2597.84 1077.98,2597.84 v1(1078.17,2597.65) ; v1(1188,-651) 1187.81,-650.81 1187.81,-570.64 C51.2@1188,-570.45 ; C55.2@1486.45,-724 1529.73,-724 1540.73,-713 v1(1541,-713) ; v1(1776,-1718) 1776.19,-1717.81 1776.19,-1660.64 C61.2@1776,-1660.45 ; v1(1855,-1723) 1855.19,-1722.81 1855.19,-1659.64 C68.2@1855,-1659.45 ; v1(1910,965) 1909.81,965.19 1909.81,1030.36 C27.2@1910,1030.55 ; v1(2287,-1421) C57.2@2287,-1360.45
  other v1: 1175,-2195 1325,-2195 1475,-2195 1100,-2045 1400,-2045 1550,-2045 1700,-2045 1325,-1895 1475,-1895 1625,-1895 1775,-1895 1925,-1895 2075,-1895 1700,-1745 2000,-1745 2150,-1745 2300,-1745 2450,-1745 1025,-1595 1175,-1595 1325,-1595 1475,-1595 2075,-1595 2225,-1595 2375,-1595 2525,-1595 2675,-1595 800,-1445 1100,-1445 1250,-1445 1700,-1445 2000,-1445 2300,-1445 2450,-1445 2600,-1445 2750,-1445 2900,-1445 3050,-1445 725,-1295 1025,-1295 1175,-1295 1625,-1295 2375,-1295 2525,-1295 2675,-1295 2825,-1295 2975,-1295 800,-1145 1100,-1145 1250,-1145 1400,-1145 1550,-1145 1700,-1145 2000,-1145 3050,-1145 725,-995 1325,-995 1625,-995 2225,-995 2375,-995 2825,-995 2975,-995 3125,-995 3875,-995 4025,-995 5157,-860 500,-845 800,-845 950,-845 1100,-845 1250,-845 1400,-845 1550,-845 1700,-845 2000,-845 2150,-845 2300,-845 2750,-845 3050,-845 3800,-845 3950,-845 4100,-845 4250,-845 4400,-845 4550,-845 4700,-845 4850,-845 5000,-845 5300,-845 5450,-845 5750,-845 5900,-845 6050,-845 6200,-845 6500,-845 6650,-845 6800,-845 6950,-845 5506,-837 4283,-818 6214,-800 3803,-700.31 425,-695 725,-695 875,-695 1325,-695 1625,-695 1775,-695 1925,-695 2075,-695 2525,-695 2825,-695 3275,-695 3425,-695 3575,-695 3875,-695 4025,-695 4175,-695 4775,-695 4925,-695 5075,-695 6725,-695 6875,-695 7025,-695 500,-545 800,-545 950,-545 1400,-545 1550,-545 1700,-545 2150,-545 2300,-545 2450,-545 2600,-545 2750,-545 2900,-545 3050,-545 3350,-545 3800,-545 3950,-545 4100,-545 4250,-545 6050,-545 6200,-545 6350,-545 6800,-545 6950,-545 425,-395 725,-395 1025,-395 1175,-395 1475,-395 1625,-395 1775,-395 1925,-395 2075,-395 2375,-395 2525,-395 2675,-395 2825,-395 2975,-395 3125,-395 3275,-395 3425,-395 3875,-395 4025,-395 4175,-395 4325,-395 4625,-395 4775,-395 4925,-395 5375,-395 5525,-395 6275,-395 7025,-395 200,-245 500,-245 650,-245 1250,-245 1550,-245 1700,-245 2150,-245 2300,-245 2450,-245 2600,-245 2750,-245 2900,-245 3050,-245 3200,-245 3800,-245 3950,-245 4100,-245 4250,-245 4550,-245 4700,-245 5300,-245 5450,-245 5600,-245 5750,-245 5900,-245 6200,-245 6350,-245 6500,-245 6950,-245 2625,-136 5565,-98 275,-95 425,-95 575,-95 875,-95 1475,-95 1775,-95 1925,-95 2075,-95 2375,-95 2525,-95 2675,-95 2825,-95 2975,-95 3125,-95 3275,-95 3425,-95 3575,-95 4025,-95 4175,-95 4325,-95 4775,-95 4925,-95 5075,-95 5525,-95 5975,-95 6125,-95 6725,-95 6875,-95 7025,-95 7325,-95 4814,-60 6318,-29.5 3972,6 50,55 200,55 500,55 650,55 800,55 950,55 1250,55 1700,55 2150,55 2450,55 2600,55 2750,55 2900,55 3050,55 3200,55 3350,55 3500,55 3650,55 3800,55 3950,55 4100,55 4250,55 4400,55 4550,55 5000,55 5150,55 5600,55 5750,55 5900,55 6200,55 6350,55 6650,55 6950,55 7100,55 7400,55 4734.5,80.5 125,205 275,205 425,205 575,205 725,205 875,205 1025,205 1175,205 1475,205 1625,205 1775,205 1925,205 2225,205 2525,205 2675,205 4475,205 4625,205 4775,205 4925,205 5075,205 5225,205 5375,205 5525,205 5675,205 5825,205 5975,205 6125,205 6275,205 6425,205 6725,205 7175,205 7325,205 50,355 200,355 500,355 650,355 800,355 950,355 1100,355 1250,355 1400,355 1550,355 1700,355 1850,355 2450,355 2750,355 3200,355 3350,355 3500,355 3800,355 3950,355 4100,355 4250,355 4550,355 4700,355 4850,355 5000,355 5450,355 6050,355 6200,355 6350,355 6500,355 6950,355 7100,355 7400,355 1175,505 1325,505 1475,505 1925,505 2525,505 2975,505 3125,505 3275,505 3725,505 3875,505 4025,505 4175,505 4625,505 4775,505 5225,505 5525,505 5675,505 5825,505 6275,505 6425,505 6725,505 7175,505 7325,505 5580,530 2300,655 2450,655 2750,655 2900,655 3050,655 3200,655 3350,655 3500,655 3650,655 3950,655 4100,655 4250,655 4400,655 4700,655 4850,655 5000,655 5150,655 5900,655 6050,655 6200,655 6350,655 6500,655 6650,655 6800,655 7100,655 7400,655 4820,690 4065,692 3332,722 3101,738.5 1925,805 2075,805 2525,805 2825,805 3575,805 3725,805 4175,805 4325,805 4475,805 4925,805 5075,805 7025,805 7175,805 7325,805 7047.94,832.94 1850,955 2000,955 2150,955 2300,955 2750,955 3800,955 3950,955 4100,955 5300,955 5450,955 5600,955 5750,955 6050,955 6350,955 6500,955 6650,955 6950,955 7100,955 7400,955 435.42,1040.58 2075,1105 2225,1105 2675,1105 3125,1105 3275,1105 3425,1105 3875,1105 4025,1105 4175,1105 4325,1105 4625,1105 4775,1105 4925,1105 5375,1105 5525,1105 6275,1105 6425,1105 7175,1105 7325,1105 2000,1255 2450,1255 2900,1255 3050,1255 3200,1255 3800,1255 3950,1255 4100,1255 4250,1255 4550,1255 4700,1255 5300,1255 5450,1255 5600,1255 5750,1255 5900,1255 6200,1255 6350,1255 6500,1255 6650,1255 6800,1255 7400,1255 1122.5,1330.5 2448,1332 1047.5,1333.5 2675,1405 2825,1405 2975,1405 3125,1405 3275,1405 3425,1405 3575,1405 4025,1405 4175,1405 4325,1405 4775,1405 4925,1405 5075,1405 5525,1405 5825,1405 5975,1405 6125,1405 6275,1405 6425,1405 6725,1405 6875,1405 7025,1405 7175,1405 7325,1405 5562,1432 6440,1462 1331.5,1476.5 1128.42,1499.58 3448,1502 2587,1512.5 4057.52,1539.7 2450,1555 2900,1555 3500,1555 3650,1555 4250,1555 4400,1555 4550,1555 5000,1555 5150,1555 5300,1555 5450,1555 5600,1555 6050,1555 6200,1555 6350,1555 6650,1555 6950,1555 7100,1555 7400,1555 991,1636 898,1651 1925,1705 2525,1705 2675,1705 2825,1705 3125,1705 3425,1705 4175,1705 4325,1705 5225,1705 5375,1705 5525,1705 5675,1705 5975,1705 6125,1705 6275,1705 6425,1705 6725,1705 7175,1705 7325,1705 1330.5,1761.5 4915,1809 1334.5,1830.5 2150,1855 2450,1855 2600,1855 2750,1855 3200,1855 3350,1855 3500,1855 3800,1855 3950,1855 4100,1855 4250,1855 4700,1855 4850,1855 5000,1855 5450,1855 6050,1855 6200,1855 6350,1855 6500,1855 6950,1855 7100,1855 7400,1855 1925,2005 2075,2005 2375,2005 2525,2005 2825,2005 2975,2005 3125,2005 3275,2005 3725,2005 3875,2005 4025,2005 4175,2005 4625,2005 4775,2005 5225,2005 5525,2005 5675,2005 5825,2005 6275,2005 6425,2005 6725,2005 7175,2005 7325,2005 697.97,2045 2145,2045 5580,2147 2000,2155 2450,2155 2600,2155 2750,2155 2900,2155 3050,2155 3200,2155 3350,2155 3500,2155 3650,2155 3950,2155 4100,2155 4400,2155 4700,2155 4850,2155 5000,2155 5150,2155 5450,2155 5750,2155 5900,2155 6050,2155 6200,2155 6350,2155 6500,2155 6650,2155 6800,2155 6950,2155 7100,2155 7400,2155 4826,2206 3301,2259 1705.53,2260.47 2595,2268 4055,2296 1925,2305 2075,2305 2225,2305 2375,2305 2525,2305 2825,2305 2975,2305 3125,2305 3275,2305 3575,2305 3725,2305 3875,2305 4025,2305 4325,2305 4475,2305 4625,2305 4775,2305 4925,2305 5075,2305 5225,2305 5375,2305 6725,2305 7025,2305 7175,2305 7325,2305 1738.5,2325.5 7082,2381 2000,2455 2300,2455 2450,2455 2600,2455 2750,2455 3050,2455 3200,2455 3350,2455 3500,2455 3650,2455 3800,2455 3950,2455 4100,2455 4850,2455 5000,2455 5300,2455 5450,2455 5600,2455 6050,2455 6200,2455 6350,2455 6500,2455 6650,2455 7400,2455 1145.5,2504.5 2375,2605 2525,2605 2675,2605 3125,2605 3275,2605 3425,2605 3575,2605 3875,2605 4025,2605 4175,2605 4325,2605 4925,2605 5075,2605 5375,2605 5525,2605 6275,2605 6425,2605 7025,2605 2150,2755 2300,2755 2450,2755 2900,2755 3050,2755 3200,2755 3800,2755 3950,2755 4100,2755 4250,2755 4550,2755 4700,2755 5300,2755 5450,2755 5600,2755 5900,2755 6200,2755 6350,2755 6500,2755 7250,2755 214,2872 2225,2905 3125,2905 3275,2905 3425,2905 3575,2905 4025,2905 4175,2905 4325,2905 4775,2905 4925,2905 5075,2905 5525,2905 5675,2905 5825,2905 5975,2905 6125,2905 6275,2905 6425,2905 6575,2905 6725,2905 6875,2905 7025,2905 7175,2905 1976.5,2926 2012.39,2960.9 2010,3048 4850,3055 5000,3055 5150,3055 5300,3055 5450,3055 5750,3055 5900,3055 6050,3055 6200,3055 6350,3055 6500,3055 6650,3055 6800,3055 6950,3055 7100,3055 7250,3055 347,3122 34,3137 34,3169 1127.58,3176.97 1029,3184 1080,3188 34,3200 580.95,3204.95 2375,3205 2975,3205 3125,3205 3275,3205 3425,3205 3575,3205 3725,3205 3875,3205 4025,3205 4175,3205 4325,3205 4475,3205 4625,3205 4775,3205 4925,3205 5075,3205 5225,3205 5375,3205 5525,3205 5675,3205 5825,3205 5975,3205 6125,3205 6425,3205 6575,3205 6725,3205 6875,3205 7025,3205 7175,3205 1028,3207 1142,3211 1082,3213 1198,3215 1028,3232 34,3236 1082,3240 1027,3261 34,3270 1082,3270 1027,3288 1402.78,3292 1244,3305 34,3309 1027,3317 33,3344 1082,3345 1028,3346 528.95,3348.95 597.95,3350.95 1250,3355 1447,3355 1550,3355 7400,3355 1028,3374 1082,3374 35,3382 1027,3401 1083,3401 1576,3401 1356.34,3417.55 34,3419 1025,3427 1084,3427 1496,3450 1020,3451 1093,3451 34,3458 1020,3477 1092,3477 34,3494 1019,3501 1092,3504 275,3505 425,3505 575,3505 725,3505 1175,3505 1019,3526 1189,3528 1221,3529 1252,3530 1284,3530 1319,3530 34,3531 1097,3531 1130,3531 1162,3531 1410,3532 1439,3532 802,3533 79,3534 129,3534 179,3534 229,3534 279,3534 329,3534 379,3534 429,3534 479,3534 525,3534 575,3534 624,3534 672,3534 718,3534 764,3534 842,3534 997,3534 886,3535 926,3535 962,3535 1277,3562 1276,3600 1277,3634 1277,3666 1277,3695 1277,3725 1277,3757 1277,3787 1277,3820 1277,3850 1277,3878 1308,3908 1360,3908 1277,3909 1410,3909 1459,3909 1508,3909 1558,3909 1608,3909 1658,3909 1708,3909
  other v2: 6021,723 6052,766.63 6339,828 6070,854 6226,854 5985,856 6065,2354 5997,2356 6741,2381
HFXTAL_N: Q1.10 TP2.1 X1.3 | length 226.4
  Top Layer w6: Q1.10@1158,3076 1169.81,3076 1205.81,3112 1256.4,3112 1262.05,3106.35 1262.05,3099.15 1268.58,3092.62 1356.38,3092.62 TP2.1@1357,3092